# KiCad board EOutside.kicad_pcb (continued)
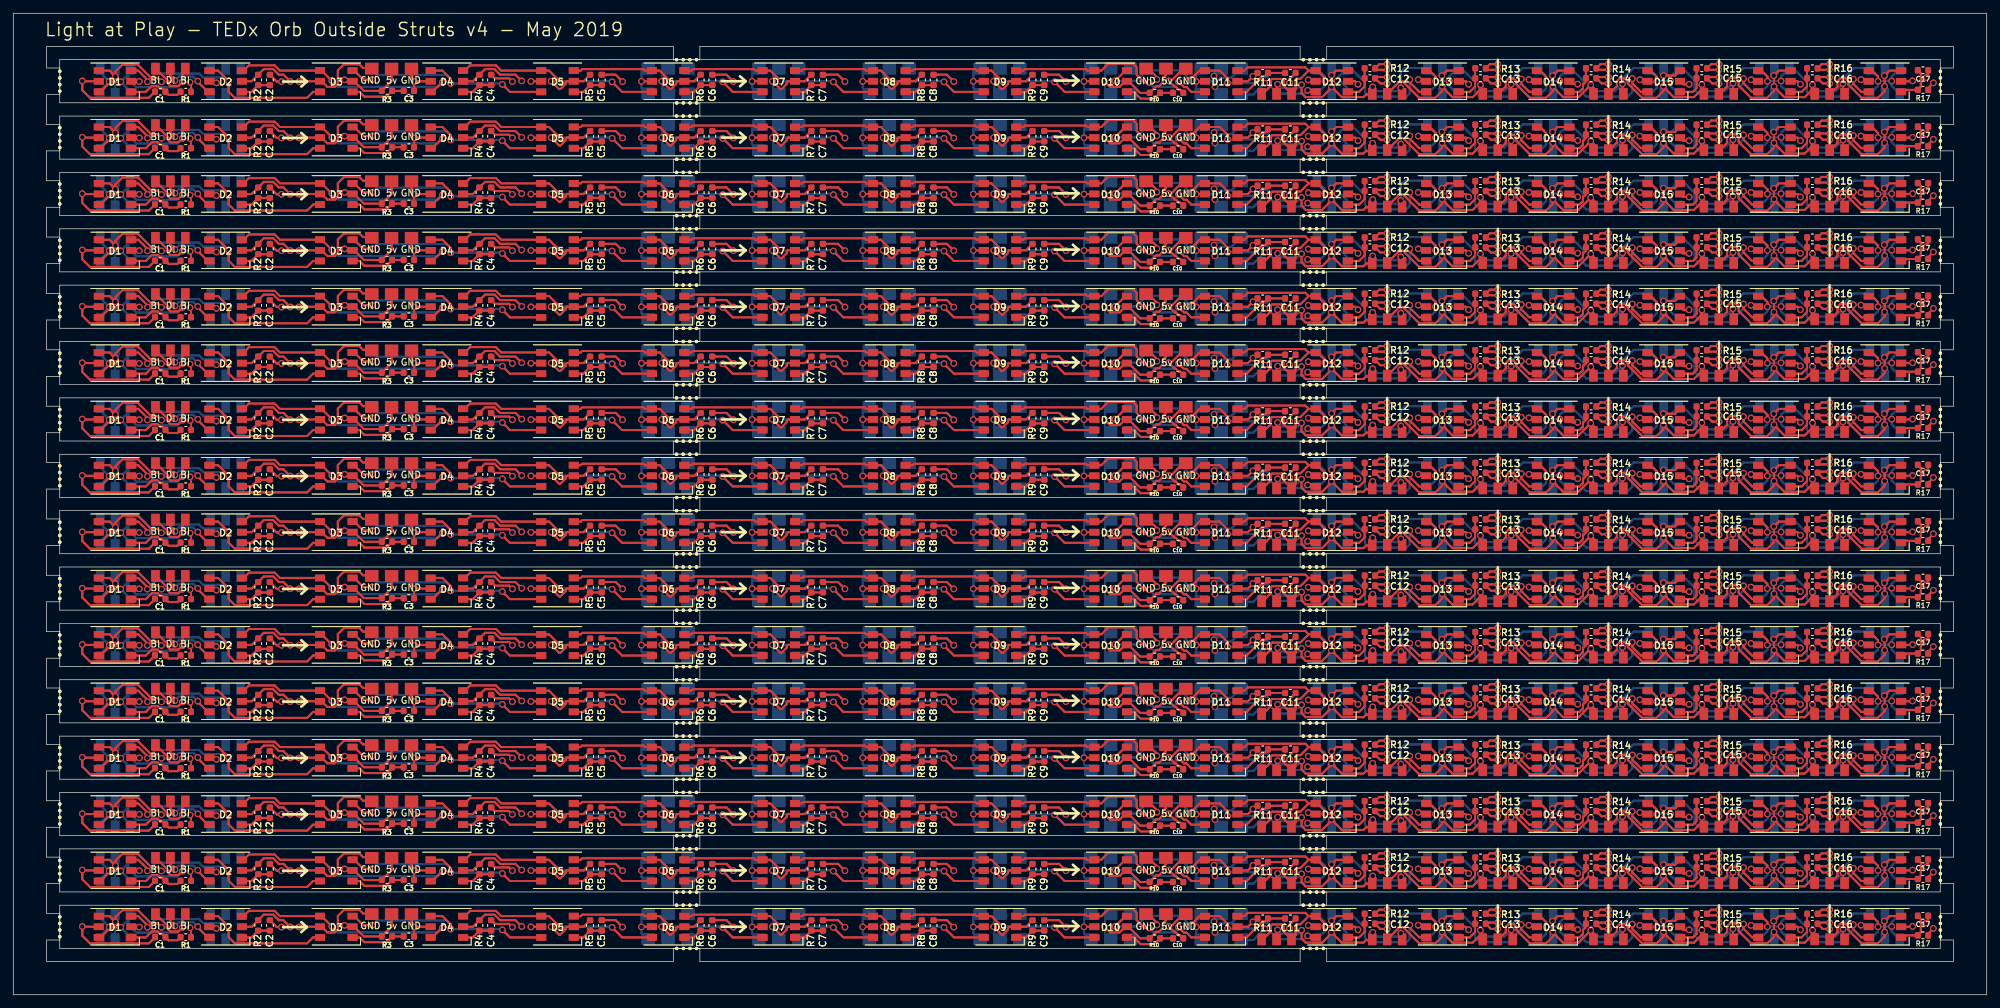
[diagram p0: board, top side]
## Routing (per net, layer and track width the routed paths; a pad name or vN(x,y) marks a point on that pad's centre or on a via; arc(x,y) is an arc through that point) (continued)
C1#20.2 20.42,50.25 ; 60.45,52.75 D4#18.5 60.45,52.75 ; 10.4,52.09 v1(10.4,52.8) ; 10.4,52.09 v1(10.4,52.8) ; v1(10.4,52.8) 10.45,52.75 ; v1(10.4,52.8) 10.45,52.75 ; 288.52,53.57 C17#18.2 288.52,53.57 ; 288.52,53.57 v1(288.25,53.3) 288.52,53.57 ; 10.45,52.75 D1#22.5 10.45,52.75 ; 211.83,52.75 D13#17.5 211.83,52.75 ; 211.83,52.75 211.69,52.9 ; 211.83,52.75 211.69,52.9 ; 211.69,52.9 v1(211.69,52.99) 211.69,52.9 ; 30.6,52.75 30.61,52.74 ; 30.6,52.75 D2#17.5 30.6,52.75 ; 30.6,52.75 30.61,52.74 ; 30.61,52.74 v1(30.61,52.5) 30.61,52.74 ; 170.92,54.75 172.3,53.37 ; 170.92,54.75 170.67,54.75 170.92,54.75 ; 170.92,54.75 172.3,53.37 ; 172.3,53.37 v1(172.3,53.03) 172.3,53.37 ; 192.3,53.1 C11#17.2 192.3,53.1 ; 192.3,53.1 v1(192.3,52.53) 192.3,53.1 ; 175.6,51.46 175.19,51.88 ; 175.6,51.46 175.83,51.46 ; 175.6,51.46 175.19,51.88 ; 175.6,51.46 175.83,51.46 ; 175.19,51.88 175.03,51.88 ; 175.19,51.88 175.03,51.88 ; 175.03,51.88 v1(174.1,52.8) ; 175.03,51.88 v1(174.1,52.8) ; 195.17,52.75 D12#18.5 195.17,52.75 ; 195.17,52.75 195.12,52.8 ; 195.17,52.75 195.12,52.8 ; 195.12,52.8 v1(195.12,52.95) 195.12,52.8 ; 47.32,51.9 46.47,52.75 ; 47.32,51.9 48.43,51.9 ; 47.32,51.9 46.47,52.75 ; 47.32,51.9 48.43,51.9 ; 46.47,52.75 D3#23.5 ; 46.47,52.75 D3#23.5 ; 72.54,53.19 C4#22.2 72.54,53.19 ; 72.54,53.19 74.71,53.19 ; 72.54,53.19 74.71,53.19 ; 74.71,53.19 v1(75.2,52.7) 74.71,53.19 ; v1(174.1,52.8) 174.43,52.8 ; v1(174.1,52.8) 174.43,52.8 ; 175.83,51.46 C10#18.2 175.83,51.46 ; 52.7,54.75 52.15,55.3 ; 52.7,54.75 54,54.75 52.7,54.75 ; 52.7,54.75 52.15,55.3 ; 52.15,55.3 49.82,55.3 ; 52.15,55.3 49.82,55.3 ; 48.9,52.37 48.43,51.9 ; 48.9,52.37 48.9,54.38 ; 48.9,52.37 48.43,51.9 ; 48.9,52.37 48.9,54.38 ; 48.9,54.38 49.82,55.3 ; 48.9,54.38 49.82,55.3 ; D3#23.5 43.09,52.75 ; D3#23.5 43.09,52.75 ; 144.67,52.75 D9#18.5 144.67,52.75 ; 144.67,52.75 v1(144.65,52.73) 144.67,52.75 ; 161.34,52.75 D10#18.5 161.34,52.75 ; 161.34,52.75 v1(161.32,52.73) 161.34,52.75 ; 111.34,52.75 v1(111.32,52.73) 111.34,52.75 ; 111.34,52.75 D7#22.5 111.34,52.75 ; 43.09,52.75 v1(43.05,52.71) 43.09,52.75 ; 128.01,52.75 D8#18.5 128.01,52.75 ; 128.01,52.75 v1(127.99,52.73) 128.01,52.75 ; 39.69,52.7 C2#23.2 39.69,52.7 ; 39.69,52.7 39.71,52.7 ; 39.69,52.7 39.71,52.7 ; 39.71,52.7 v1(40.42,52.7) 39.71,52.7 ; 94.67,52.75 D6#17.5 94.67,52.75 ; 94.67,52.75 v1(94.65,52.73) 94.67,52.75 ; 255.96,43.93 257,43.93 255.96,43.93 ; 91.3,44.7 v1(91.8,44.2) 91.3,44.7 ; 107.46,45.24 C6#17.2 107.46,45.24 ; 107.46,45.24 108,44.7 ; 107.46,45.24 108,44.7 ; 140.66,45.24 141.2,44.7 ; 140.66,45.24 C8#18.2 140.66,45.24 ; 140.66,45.24 141.2,44.7 ; 141.2,44.7 v1(141.7,44.2) 141.2,44.7 ; 124.26,45.24 124.8,44.7 ; 124.26,45.24 C7#17.2 124.26,45.24 ; 124.26,45.24 124.8,44.7 ; 124.8,44.7 v1(125.3,44.2) 124.8,44.7 ; 108,44.7 v1(108.5,44.2) 108,44.7 ; 157.56,45.24 158.1,44.7 ; 157.56,45.24 C9#18.2 157.56,45.24 ; 157.56,45.24 158.1,44.7 ; 158.1,44.7 v1(158.6,44.2) 158.1,44.7 ; C15#17.2 255.23,53.25 C15#17.2 ; C15#17.2 255.96,52.43 ; C15#17.2 255.36,53.38 ; C15#17.2 255.96,52.43 ; C15#17.2 255.36,53.38 ; 272.62,52.43 C16#20.2 ; 272.62,52.43 273.67,52.43 272.62,52.43 ; 272.62,52.43 C16#20.2 ; C16#20.2 272.02,53.38 ; C16#20.2 271.9,53.25 C16#20.2 ; C16#20.2 272.02,53.38 ; 245.99,52.98 D15#17.5 245.99,52.98 ; 245.99,52.98 245.78,52.98 ; 245.99,52.98 245.78,52.98 ; 238.69,53.38 240.33,53.38 238.69,53.38 ; 272.02,53.38 273.67,53.38 272.02,53.38 ; 262.53,52.97 v1(261.82,52.97) 262.53,52.97 ; 262.53,52.97 262.66,52.97 ; 262.53,52.97 262.66,52.97 ; 262.66,52.97 D16#20.5 262.66,52.97 ; 255.96,52.43 257,52.43 255.96,52.43 ; 255.36,53.38 257,53.38 255.36,53.38 ; 178.25,52.75 v1(178.22,52.72) 178.25,52.75 ; 178.25,52.75 D11#20.5 178.25,52.75 ; 176.38,54.75 176.67,54.75 176.38,54.75 ; 176.38,54.75 174.43,52.8 ; 176.38,54.75 174.43,52.8 ; 245.78,52.98 v1(245.07,52.98) 245.78,52.98 ; 94.67,18.75 v1(94.65,18.73) 94.67,18.75 ; 94.67,18.75 D6#25.5 94.67,18.75 ; 48.43,17.9 47.32,17.9 ; 48.43,17.9 48.9,18.37 ; 48.43,17.9 48.9,18.37 ; 48.43,17.9 47.32,17.9 ; 47.32,17.9 46.47,18.75 ; 47.32,17.9 46.47,18.75 ; v1(174.1,27.3) 174.43,27.3 ; v1(174.1,27.3) 175.03,26.38 ; v1(174.1,27.3) 174.43,27.3 ; v1(174.1,27.3) 175.03,26.38 ; 174.43,27.3 176.38,29.25 ; 174.43,27.3 176.38,29.25 ; 272.62,26.93 273.67,26.93 272.62,26.93 ; 272.62,26.93 C16#25.2 ; 272.62,26.93 C16#25.2 ; 176.38,29.25 176.67,29.25 176.38,29.25 ; 178.25,27.25 D11#27.5 178.25,27.25 ; 178.25,27.25 v1(178.22,27.22) 178.25,27.25 ; 262.66,27.47 262.53,27.47 ; 262.66,27.47 D16#25.5 262.66,27.47 ; 262.66,27.47 262.53,27.47 ; 262.53,27.47 v1(261.82,27.47) 262.53,27.47 ; 245.99,27.48 245.78,27.48 ; 245.99,27.48 D15#25.5 245.99,27.48 ; 245.99,27.48 245.78,27.48 ; 245.78,27.48 v1(245.07,27.48) 245.78,27.48 ; 239.29,26.93 240.33,26.93 239.29,26.93 ; 239.29,26.93 C14#25.2 ; 239.29,26.93 C14#25.2 ; 279.32,27.48 279.09,27.48 ; 279.32,27.48 279.55,27.25 279.32,27.48 ; 279.32,27.48 279.09,27.48 ; 279.09,27.48 v1(278.38,27.48) 279.09,27.48 ; 255.36,27.88 257,27.88 255.36,27.88 ; 255.36,27.88 C15#25.2 ; 255.36,27.88 C15#25.2 ; 238.69,27.88 240.33,27.88 238.69,27.88 ; 238.69,27.88 C14#25.2 ; 238.69,27.88 C14#25.2 ; 272.02,27.88 C16#25.2 ; 272.02,27.88 273.67,27.88 272.02,27.88 ; 272.02,27.88 C16#25.2 ; C16#25.2 271.9,27.75 C16#25.2 ; C15#25.2 255.23,27.75 C15#25.2 ; C15#25.2 255.96,26.93 ; C15#25.2 255.96,26.93 ; C14#25.2 238.57,27.75 C14#25.2 ; 255.96,26.93 257,26.93 255.96,26.93 ; 272.62,9.93 273.67,9.93 272.62,9.93 ; 272.62,9.93 C16#26.2 ; 272.62,9.93 C16#26.2 ; 174.43,10.3 176.38,12.25 ; 174.43,10.3 v1(174.1,10.3) ; 174.43,10.3 v1(174.1,10.3) ; 174.43,10.3 176.38,12.25 ; 176.38,12.25 176.67,12.25 176.38,12.25 ; 178.25,10.25 D11#29.5 178.25,10.25 ; 178.25,10.25 v1(178.22,10.22) 178.25,10.25 ; 262.66,10.47 262.53,10.47 ; 262.66,10.47 D16#26.5 262.66,10.47 ; 262.66,10.47 262.53,10.47 ; 262.53,10.47 v1(261.82,10.47) 262.53,10.47 ; 245.99,10.48 245.78,10.48 ; 245.99,10.48 D15#26.5 245.99,10.48 ; 245.99,10.48 245.78,10.48 ; 245.78,10.48 v1(245.07,10.48) 245.78,10.48 ; 239.29,9.93 240.33,9.93 239.29,9.93 ; 239.29,9.93 C14#26.2 ; 239.29,9.93 C14#26.2 ; 279.32,10.48 279.09,10.48 ; 279.32,10.48 279.55,10.25 279.32,10.48 ; 279.32,10.48 279.09,10.48 ; 279.09,10.48 v1(278.38,10.48) 279.09,10.48 ; 255.36,10.88 257,10.88 255.36,10.88 ; 255.36,10.88 C15#27.2 ; 255.36,10.88 C15#27.2 ; 238.69,10.88 240.33,10.88 238.69,10.88 ; 238.69,10.88 C14#26.2 ; 238.69,10.88 C14#26.2 ; 272.02,10.88 C16#26.2 ; 272.02,10.88 273.67,10.88 272.02,10.88 ; 272.02,10.88 C16#26.2 ; C16#26.2 271.9,10.75 C16#26.2 ; C15#27.2 255.23,10.75 C15#27.2 ; C15#27.2 255.96,9.93 ; C15#27.2 255.96,9.93 ; C14#26.2 238.57,10.75 C14#26.2 ; 255.96,9.93 257,9.93 255.96,9.93 ; 239.29,18.43 C14#28.2 ; 239.29,18.43 240.33,18.43 239.29,18.43 ; 239.29,18.43 C14#28.2 ; C14#28.2 238.57,19.25 C14#28.2 ; C14#28.2 238.69,19.38 ; C14#28.2 238.69,19.38 ; 222.62,18.43 223.67,18.43 222.62,18.43 ; 222.62,18.43 221.85,19.2 ; 222.62,18.43 221.85,19.2 ; 222.02,19.38 223.67,19.38 222.02,19.38 ; 222.02,19.38 221.85,19.2 ; 222.02,19.38 221.85,19.2 ; 221.85,19.2 221.9,19.25 221.85,19.2 ; 205.96,18.43 207,18.43 205.96,18.43 ; 205.96,18.43 C12#28.2 ; 205.96,18.43 C12#28.2 ; 205.36,19.38 207,19.38 205.36,19.38 ; 205.36,19.38 C12#28.2 ; 205.36,19.38 C12#28.2 ; C12#28.2 205.23,19.25 C12#28.2 ; 228.5,18.75 D14#26.5 228.5,18.75 ; 228.5,18.75 228.35,18.9 ; 228.5,18.75 228.35,18.9 ; 228.35,18.9 v1(228.35,18.99) 228.35,18.9 ; 60.39,18.69 v1(60.4,18.7) ; 60.39,18.69 C3#27.2 60.39,18.69 ; 60.39,18.69 v1(60.4,18.7) ; v1(60.4,18.7) 60,19.1 ; v1(60.4,18.7) 60.45,18.75 ; v1(60.4,18.7) 60,19.1 ; v1(60.4,18.7) 60.45,18.75 ; 11.55,16.25 10.4,17.4 ; 11.55,16.25 20.42,16.25 ; 11.55,16.25 10.4,17.4 ; 11.55,16.25 20.42,16.25 ; 10.4,17.4 10.4,18.09 ; 10.4,17.4 10.4,18.09 ; 60,19.1 60,20.75 60,19.1 ; 20.42,16.25 C1#28.2 20.42,16.25 ; 60.45,18.75 D4#30.5 60.45,18.75 ; 10.4,18.09 v1(10.4,18.8) ; 10.4,18.09 v1(10.4,18.8) ; v1(10.4,18.8) 10.45,18.75 ; v1(10.4,18.8) 10.45,18.75 ; 288.52,19.57 C17#25.2 288.52,19.57 ; 288.52,19.57 v1(288.25,19.3) 288.52,19.57 ; 10.45,18.75 D1#28.5 10.45,18.75 ; 211.83,18.75 D13#26.5 211.83,18.75 ; 211.83,18.75 211.69,18.9 ; 211.83,18.75 211.69,18.9 ; 211.69,18.9 v1(211.69,18.99) 211.69,18.9 ; 30.6,18.75 30.61,18.74 ; 30.6,18.75 D2#28.5 30.6,18.75 ; 30.6,18.75 30.61,18.74 ; 30.61,18.74 v1(30.61,18.5) 30.61,18.74 ; 170.92,20.75 172.3,19.37 ; 170.92,20.75 170.67,20.75 170.92,20.75 ; 170.92,20.75 172.3,19.37 ; 172.3,19.37 v1(172.3,19.03) 172.3,19.37 ; 192.3,19.1 C11#28.2 192.3,19.1 ; 192.3,19.1 v1(192.3,18.53) 192.3,19.1 ; 175.6,17.46 175.19,17.88 ; 175.6,17.46 175.83,17.46 ; 175.6,17.46 175.19,17.88 ; 175.6,17.46 175.83,17.46 ; 175.19,17.88 175.03,17.88 ; 175.19,17.88 175.03,17.88 ; 175.03,17.88 v1(174.1,18.8) ; 175.03,17.88 v1(174.1,18.8) ; 195.17,18.75 D12#25.5 195.17,18.75 ; 195.17,18.75 195.12,18.8 ; 195.17,18.75 195.12,18.8 ; 195.12,18.8 v1(195.12,18.95) 195.12,18.8 ; 46.47,18.75 D3#26.5 ; 46.47,18.75 D3#26.5 ; 72.54,19.19 C4#28.2 72.54,19.19 ; 72.54,19.19 74.71,19.19 ; 72.54,19.19 74.71,19.19 ; 74.71,19.19 v1(75.2,18.7) 74.71,19.19 ; v1(174.1,18.8) 174.43,18.8 ; v1(174.1,18.8) 174.43,18.8 ; 175.83,17.46 C10#28.2 175.83,17.46 ; 52.7,20.75 52.15,21.3 ; 52.7,20.75 54,20.75 52.7,20.75 ; 52.7,20.75 52.15,21.3 ; 52.15,21.3 49.82,21.3 ; 52.15,21.3 49.82,21.3 ; 48.9,18.37 48.9,20.38 ; 48.9,18.37 48.9,20.38 ; 48.9,20.38 49.82,21.3 ; 48.9,20.38 49.82,21.3 ; D3#26.5 43.09,18.75 ; D3#26.5 43.09,18.75 ; 144.67,18.75 D9#29.5 144.67,18.75 ; 144.67,18.75 v1(144.65,18.73) 144.67,18.75 ; 161.34,18.75 D10#30.5 161.34,18.75 ; 161.34,18.75 v1(161.32,18.73) 161.34,18.75 ; 111.34,18.75 v1(111.32,18.73) 111.34,18.75 ; 111.34,18.75 D7#29.5 111.34,18.75 ; 43.09,18.75 v1(43.05,18.71) 43.09,18.75 ; 128.01,18.75 D8#26.5 128.01,18.75 ; 128.01,18.75 v1(127.99,18.73) 128.01,18.75 ; 39.69,18.7 C2#27.2 39.69,18.7 ; 39.69,18.7 39.71,18.7 ; 39.69,18.7 39.71,18.7 ; 39.71,18.7 v1(40.42,18.7) 39.71,18.7 ; 78.01,18.75 v1(77.99,18.73) 78.01,18.75 ; 78.01,18.75 D5#25.5 78.01,18.75 ; 90.76,19.74 C5#29.2 90.76,19.74 ; 90.76,19.74 91.3,19.2 ; 90.76,19.74 91.3,19.2 ; 91.3,19.2 v1(91.8,18.7) 91.3,19.2 ; 107.46,19.74 C6#30.2 107.46,19.74 ; 107.46,19.74 108,19.2 ; 107.46,19.74 108,19.2 ; 140.66,19.74 141.2,19.2 ; 140.66,19.74 C8#28.2 140.66,19.74 ; 140.66,19.74 141.2,19.2 ; 141.2,19.2 v1(141.7,18.7) 141.2,19.2 ; 124.26,19.74 124.8,19.2 ; 124.26,19.74 C7#30.2 124.26,19.74 ; 124.26,19.74 124.8,19.2 ; 124.8,19.2 v1(125.3,18.7) 124.8,19.2 ; 108,19.2 v1(108.5,18.7) 108,19.2 ; 157.56,19.74 158.1,19.2 ; 157.56,19.74 C9#28.2 157.56,19.74 ; 157.56,19.74 158.1,19.2 ; 158.1,19.2 v1(158.6,18.7) 158.1,19.2 ; 279.32,18.98 279.55,18.75 279.32,18.98 ; 279.32,18.98 279.09,18.98 ; 279.32,18.98 279.09,18.98 ; 279.09,18.98 v1(278.38,18.98) 279.09,18.98 ; 228.35,35.9 v1(228.35,35.99) 228.35,35.9 ; 228.35,35.9 228.5,35.75 ; 228.35,35.9 228.5,35.75 ; 107.46,36.74 C6#28.2 107.46,36.74 ; 107.46,36.74 108,36.2 ; 107.46,36.74 108,36.2 ; 91.3,36.2 v1(91.8,35.7) 91.3,36.2 ; 91.3,36.2 90.76,36.74 ; 91.3,36.2 90.76,36.74 ; 90.76,36.74 C5#26.2 90.76,36.74 ; 140.66,36.74 141.2,36.2 ; 140.66,36.74 C8#29.2 140.66,36.74 ; 140.66,36.74 141.2,36.2 ; 141.2,36.2 v1(141.7,35.7) 141.2,36.2 ; 39.69,35.7 39.71,35.7 ; 39.69,35.7 C2#25.2 39.69,35.7 ; 39.69,35.7 39.71,35.7 ; 39.71,35.7 v1(40.42,35.7) 39.71,35.7 ; 124.26,36.74 C7#28.2 124.26,36.74 ; 124.26,36.74 124.8,36.2 ; 124.26,36.74 124.8,36.2 ; 108,36.2 v1(108.5,35.7) 108,36.2 ; 124.8,36.2 v1(125.3,35.7) 124.8,36.2 ; 157.56,36.74 158.1,36.2 ; 157.56,36.74 C9#29.2 157.56,36.74 ; 157.56,36.74 158.1,36.2 ; 158.1,36.2 v1(158.6,35.7) 158.1,36.2 ; 78.01,35.75 D5#29.5 78.01,35.75 ; 78.01,35.75 v1(77.99,35.73) 78.01,35.75 ; 111.34,35.75 D7#25.5 111.34,35.75 ; 111.34,35.75 v1(111.32,35.73) 111.34,35.75 ; 49.82,38.3 48.9,37.38 ; 49.82,38.3 52.15,38.3 ; 49.82,38.3 48.9,37.38 ; 49.82,38.3 52.15,38.3 ; 48.9,37.38 48.9,35.37 ; 48.9,37.38 48.9,35.37 ; 128.01,35.75 D8#27.5 128.01,35.75 ; 128.01,35.75 v1(127.99,35.73) 128.01,35.75 ; 43.09,35.75 v1(43.05,35.71) 43.09,35.75 ; 43.09,35.75 D3#27.5 ; 43.09,35.75 D3#27.5 ; 161.34,35.75 D10#25.5 161.34,35.75 ; 161.34,35.75 v1(161.32,35.73) 161.34,35.75 ; 144.67,35.75 D9#25.5 144.67,35.75 ; 144.67,35.75 v1(144.65,35.73) 144.67,35.75 ; 46.47,35.75 D3#27.5 ; 46.47,35.75 47.32,34.9 ; 46.47,35.75 47.32,34.9 ; 46.47,35.75 D3#27.5 ; 48.9,35.37 48.43,34.9 ; 48.9,35.37 48.43,34.9 ; 72.54,36.19 74.71,36.19 ; 72.54,36.19 C4#25.2 72.54,36.19 ; 72.54,36.19 74.71,36.19 ; 74.71,36.19 v1(75.2,35.7) 74.71,36.19 ; 52.7,37.75 54,37.75 52.7,37.75 ; 52.7,37.75 52.15,38.3 ; 52.7,37.75 52.15,38.3 ; 48.43,34.9 47.32,34.9 ; 48.43,34.9 47.32,34.9 ; 175.83,34.46 C10#29.2 175.83,34.46 ; 175.83,34.46 175.6,34.46 ; 175.83,34.46 175.6,34.46 ; 175.6,34.46 175.19,34.88 ; 175.6,34.46 175.19,34.88 ; 175.03,34.88 v1(174.1,35.8) ; 175.03,34.88 175.19,34.88 ; 175.03,34.88 175.19,34.88 ; 175.03,34.88 v1(174.1,35.8) ; v1(174.1,35.8) 174.43,35.8 ; v1(174.1,35.8) 174.43,35.8 ; 170.92,37.75 170.67,37.75 170.92,37.75 ; 170.92,37.75 172.3,36.37 ; 170.92,37.75 172.3,36.37 ; 192.3,36.1 v1(192.3,35.53) 192.3,36.1 ; 192.3,36.1 C11#29.2 192.3,36.1 ; 195.12,35.8 v1(195.12,35.95) 195.12,35.8 ; 195.12,35.8 195.17,35.75 ; 195.12,35.8 195.17,35.75 ; 172.3,36.37 v1(172.3,36.03) 172.3,36.37 ; 195.17,35.75 D12#27.5 195.17,35.75 ; 239.29,35.43 C14#29.2 ; 239.29,35.43 240.33,35.43 239.29,35.43 ; 239.29,35.43 C14#29.2 ; C14#29.2 238.57,36.25 C14#29.2 ; C14#29.2 238.69,36.38 ; C14#29.2 238.69,36.38 ; 222.62,35.43 223.67,35.43 222.62,35.43 ; 222.62,35.43 221.85,36.2 ; 222.62,35.43 221.85,36.2 ; 222.02,36.38 223.67,36.38 222.02,36.38 ; 222.02,36.38 221.85,36.2 ; 222.02,36.38 221.85,36.2 ; 221.85,36.2 221.9,36.25 221.85,36.2 ; 30.61,35.74 v1(30.61,35.5) 30.61,35.74 ; 30.61,35.74 30.6,35.75 ; 30.61,35.74 30.6,35.75 ; 10.4,34.4 10.4,35.09 ; 10.4,34.4 11.55,33.25 ; 10.4,34.4 11.55,33.25 ; 10.4,34.4 10.4,35.09 ; 10.4,35.09 v1(10.4,35.8) ; 10.4,35.09 v1(10.4,35.8) ; 94.67,35.75 v1(94.65,35.73) 94.67,35.75 ; 94.67,35.75 D6#26.5 94.67,35.75 ; 288.52,36.57 v1(288.25,36.3) 288.52,36.57 ; 288.52,36.57 C17#28.2 288.52,36.57 ; 30.6,35.75 D2#30.5 30.6,35.75 ; 211.83,35.75 211.69,35.9 ; 211.83,35.75 D13#30.5 211.83,35.75 ; 211.83,35.75 211.69,35.9 ; 211.69,35.9 v1(211.69,35.99) 211.69,35.9 ; 10.45,35.75 D1#25.5 10.45,35.75 ; 10.45,35.75 v1(10.4,35.8) ; 10.45,35.75 v1(10.4,35.8) ; 60.45,35.75 D4#26.5 60.45,35.75 ; 60.45,35.75 v1(60.4,35.7) ; 60.45,35.75 v1(60.4,35.7) ; 60.39,35.69 C3#25.2 60.39,35.69 ; 60.39,35.69 v1(60.4,35.7) ; 60.39,35.69 v1(60.4,35.7) ; v1(60.4,35.7) 60,36.1 ; v1(60.4,35.7) 60,36.1 ; 20.42,33.25 11.55,33.25 ; 20.42,33.25 C1#26.2 20.42,33.25 ; 20.42,33.25 11.55,33.25 ; 60,36.1 60,37.75 60,36.1 ; 205.36,36.38 C12#29.2 ; 205.36,36.38 207,36.38 205.36,36.38 ; 205.36,36.38 C12#29.2 ; C12#29.2 205.96,35.43 ; C12#29.2 205.23,36.25 C12#29.2 ; C12#29.2 205.96,35.43 ; 279.32,35.98 279.55,35.75 279.32,35.98 ; 279.32,35.98 279.09,35.98 ; 279.32,35.98 279.09,35.98 ; 205.96,35.43 207,35.43 205.96,35.43 ; 228.5,35.75 D14#30.5 228.5,35.75 ; C16#29.2 271.9,36.25 C16#29.2 ; C16#29.2 272.02,36.38 ; C16#29.2 272.62,35.43 ; C16#29.2 272.62,35.43 ; C16#29.2 272.02,36.38 ; 255.36,36.38 257,36.38 255.36,36.38 ; 255.36,36.38 C15#28.2 ; 255.36,36.38 C15#28.2 ; 272.02,36.38 273.67,36.38 272.02,36.38 ; 174.43,35.8 176.38,37.75 ; 174.43,35.8 176.38,37.75 ; 272.62,35.43 273.67,35.43 272.62,35.43 ; 176.38,37.75 176.67,37.75 176.38,37.75 ; 178.25,35.75 D11#25.5 178.25,35.75 ; 178.25,35.75 v1(178.22,35.72) 178.25,35.75 ; 262.66,35.97 D16#27.5 262.66,35.97 ; 262.66,35.97 262.53,35.97 ; 262.66,35.97 262.53,35.97 ; 245.99,35.98 245.78,35.98 ; 245.99,35.98 D15#29.5 245.99,35.98 ; 245.99,35.98 245.78,35.98 ; 245.78,35.98 v1(245.07,35.98) 245.78,35.98 ; 255.96,35.43 257,35.43 255.96,35.43 ; 255.96,35.43 C15#28.2 ; 255.96,35.43 C15#28.2 ; C15#28.2 255.23,36.25 C15#28.2 ; 262.53,35.97 v1(261.82,35.97) 262.53,35.97 ; 279.09,35.98 v1(278.38,35.98) 279.09,35.98 ; 238.69,36.38 240.33,36.38 238.69,36.38 ; 195.12,10.3 v1(195.12,10.45) 195.12,10.3 ; 195.12,10.3 195.17,10.25 ; 195.12,10.3 195.17,10.25 ; 172.3,10.87 v1(172.3,10.53) 172.3,10.87 ; 172.3,10.87 170.92,12.25 ; 172.3,10.87 170.92,12.25 ; 195.17,10.25 D12#31.5 195.17,10.25 ; 175.19,9.38 175.03,9.38 ; 175.19,9.38 175.6,8.96 ; 175.19,9.38 175.6,8.96 ; 175.19,9.38 175.03,9.38 ; 175.03,9.38 v1(174.1,10.3) ; 175.03,9.38 v1(174.1,10.3) ; 175.6,8.96 175.83,8.96 ; 175.6,8.96 175.83,8.96 ; 192.3,10.6 C11#25.2 192.3,10.6 ; 192.3,10.6 v1(192.3,10.03) 192.3,10.6 ; 170.92,12.25 170.67,12.25 170.92,12.25 ; 30.61,10.24 v1(30.61,10) 30.61,10.24 ; 30.61,10.24 30.6,10.25 ; 30.61,10.24 30.6,10.25 ; 211.83,10.25 211.69,10.4 ; 211.83,10.25 D13#28.5 211.83,10.25 ; 211.83,10.25 211.69,10.4 ; 211.69,10.4 v1(211.69,10.49) 211.69,10.4 ; 30.6,10.25 D2#26.5 30.6,10.25 ; 288.52,11.07 v1(288.25,10.8) 288.52,11.07 ; 288.52,11.07 C17#29.2 288.52,11.07 ; 10.4,8.9 10.4,9.59 ; 10.4,8.9 11.55,7.75 ; 10.4,8.9 11.55,7.75 ; 10.4,8.9 10.4,9.59 ; 10.4,9.59 v1(10.4,10.3) ; 10.4,9.59 v1(10.4,10.3) ; 10.45,10.25 D1#26.5 10.45,10.25 ; 10.45,10.25 v1(10.4,10.3) ; 10.45,10.25 v1(10.4,10.3) ; 60.45,10.25 D4#29.5 60.45,10.25 ; 60.45,10.25 v1(60.4,10.2) ; 60.45,10.25 v1(60.4,10.2) ; 60.39,10.19 C3#26.2 60.39,10.19 ; 60.39,10.19 v1(60.4,10.2) ; 60.39,10.19 v1(60.4,10.2) ; v1(60.4,10.2) 60,10.6 ; v1(60.4,10.2) 60,10.6 ; 20.42,7.75 11.55,7.75 ; 20.42,7.75 C1#25.2 20.42,7.75 ; 20.42,7.75 11.55,7.75 ; 60,10.6 60,12.25 60,10.6 ; 205.36,10.88 C12#25.2 ; 205.36,10.88 207,10.88 205.36,10.88 ; 205.36,10.88 C12#25.2 ; C12#25.2 205.23,10.75 C12#25.2 ; C12#25.2 205.96,9.93 ; C12#25.2 205.96,9.93 ; 228.35,10.4 v1(228.35,10.49) 228.35,10.4 ; 228.35,10.4 228.5,10.25 ; 228.35,10.4 228.5,10.25 ; 228.5,10.25 D14#29.5 228.5,10.25 ; 205.96,9.93 207,9.93 205.96,9.93 ; 222.62,9.93 221.85,10.7 ; 222.62,9.93 223.67,9.93 222.62,9.93 ; 222.62,9.93 221.85,10.7 ; 221.85,10.7 222.02,10.88 ; 221.85,10.7 221.9,10.75 221.85,10.7 ; 221.85,10.7 222.02,10.88 ; 222.02,10.88 223.67,10.88 222.02,10.88 ; 90.76,11.24 C5#25.2 90.76,11.24 ; 90.76,11.24 91.3,10.7 ; 90.76,11.24 91.3,10.7 ; 78.01,10.25 v1(77.99,10.23) 78.01,10.25 ; 78.01,10.25 D5#27.5 78.01,10.25 ; 94.67,10.25 v1(94.65,10.23) 94.67,10.25 ; 94.67,10.25 D6#28.5 94.67,10.25 ; C15#26.2 255.23,19.25 C15#26.2 ; C15#26.2 255.96,18.43 ; C15#26.2 255.36,19.38 ; C15#26.2 255.96,18.43 ; C15#26.2 255.36,19.38 ; 272.62,18.43 C16#27.2 ; 272.62,18.43 273.67,18.43 272.62,18.43 ; 272.62,18.43 C16#27.2 ; C16#27.2 272.02,19.38 ; C16#27.2 271.9,19.25 C16#27.2 ; C16#27.2 272.02,19.38 ; 245.99,18.98 D15#28.5 245.99,18.98 ; 245.99,18.98 245.78,18.98 ; 245.99,18.98 245.78,18.98 ; 238.69,19.38 240.33,19.38 238.69,19.38 ; 272.02,19.38 273.67,19.38 272.02,19.38 ; 262.53,18.97 v1(261.82,18.97) 262.53,18.97 ; 262.53,18.97 262.66,18.97 ; 262.53,18.97 262.66,18.97 ; 262.66,18.97 D16#28.5 262.66,18.97 ; 255.96,18.43 257,18.43 255.96,18.43 ; 255.36,19.38 257,19.38 255.36,19.38 ; 178.25,18.75 v1(178.22,18.72) 178.25,18.75 ; 178.25,18.75 D11#28.5 178.25,18.75 ; 176.38,20.75 176.67,20.75 176.38,20.75 ; 176.38,20.75 174.43,18.8 ; 176.38,20.75 174.43,18.8 ; 245.78,18.98 v1(245.07,18.98) 245.78,18.98 ; 91.3,10.7 v1(91.8,10.2) 91.3,10.7 ; 107.46,11.24 C6#25.2 107.46,11.24 ; 107.46,11.24 108,10.7 ; 107.46,11.24 108,10.7 ; 140.66,11.24 141.2,10.7 ; 140.66,11.24 C8#25.2 140.66,11.24 ; 140.66,11.24 141.2,10.7 ; 141.2,10.7 v1(141.7,10.2) 141.2,10.7 ; 124.26,11.24 124.8,10.7 ; 124.26,11.24 C7#25.2 124.26,11.24 ; 124.26,11.24 124.8,10.7 ; 124.8,10.7 v1(125.3,10.2) 124.8,10.7 ; 108,10.7 v1(108.5,10.2) 108,10.7 ; 157.56,11.24 158.1,10.7 ; 157.56,11.24 C9#25.2 157.56,11.24 ; 157.56,11.24 158.1,10.7 ; 158.1,10.7 v1(158.6,10.2) 158.1,10.7 ; 47.32,9.4 46.47,10.25 ; 47.32,9.4 48.43,9.4 ; 47.32,9.4 48.43,9.4 ; 47.32,9.4 46.47,10.25 ; 46.47,10.25 D3#28.5 ; 46.47,10.25 D3#28.5 ; 72.54,10.69 C4#27.2 72.54,10.69 ; 72.54,10.69 74.71,10.69 ; 72.54,10.69 74.71,10.69 ; 74.71,10.69 v1(75.2,10.2) 74.71,10.69 ; 175.83,8.96 C10#25.2 175.83,8.96 ; 52.7,12.25 52.15,12.8 ; 52.7,12.25 54,12.25 52.7,12.25 ; 52.7,12.25 52.15,12.8 ; 52.15,12.8 49.82,12.8 ; 52.15,12.8 49.82,12.8 ; 48.9,9.87 48.43,9.4 ; 48.9,9.87 48.9,11.88 ; 48.9,9.87 48.43,9.4 ; 48.9,9.87 48.9,11.88 ; 48.9,11.88 49.82,12.8 ; 48.9,11.88 49.82,12.8 ; D3#28.5 43.09,10.25 ; D3#28.5 43.09,10.25 ; 144.67,10.25 D9#26.5 144.67,10.25 ; 144.67,10.25 v1(144.65,10.23) 144.67,10.25 ; 161.34,10.25 D10#26.5 161.34,10.25 ; 161.34,10.25 v1(161.32,10.23) 161.34,10.25 ; 111.34,10.25 v1(111.32,10.23) 111.34,10.25 ; 111.34,10.25 D7#27.5 111.34,10.25 ; 43.09,10.25 v1(43.05,10.21) 43.09,10.25 ; 128.01,10.25 D8#28.5 128.01,10.25 ; 128.01,10.25 v1(127.99,10.23) 128.01,10.25 ; 39.69,10.2 C2#26.2 39.69,10.2 ; 39.69,10.2 39.71,10.2 ; 39.69,10.2 39.71,10.2 ; 39.71,10.2 v1(40.42,10.2) 39.71,10.2 ; 222.62,26.93 223.67,26.93 222.62,26.93 ; 222.62,26.93 221.85,27.7 ; 222.62,26.93 221.85,27.7 ; 222.02,27.88 223.67,27.88 222.02,27.88 ; 222.02,27.88 221.85,27.7 ; 222.02,27.88 221.85,27.7 ; 221.85,27.7 221.9,27.75 221.85,27.7 ; 205.96,26.93 207,26.93 205.96,26.93 ; 205.96,26.93 C12#26.2 ; 205.96,26.93 C12#26.2 ; 205.36,27.88 207,27.88 205.36,27.88 ; 205.36,27.88 C12#26.2 ; 205.36,27.88 C12#26.2 ; C12#26.2 205.23,27.75 C12#26.2 ; 228.5,27.25 D14#25.5 228.5,27.25 ; 228.5,27.25 228.35,27.4 ; 228.5,27.25 228.35,27.4 ; 228.35,27.4 v1(228.35,27.49) 228.35,27.4 ; 192.3,27.6 v1(192.3,27.03) 192.3,27.6 ; 192.3,27.6 C11#26.2 192.3,27.6 ; 170.92,29.25 170.67,29.25 170.92,29.25 ; 170.92,29.25 172.3,27.87 ; 170.92,29.25 172.3,27.87 ; 47.32,26.4 46.47,27.25 ; 47.32,26.4 48.43,26.4 ; 47.32,26.4 48.43,26.4 ; 47.32,26.4 46.47,27.25 ; 46.47,27.25 D3#25.5 ; 46.47,27.25 D3#25.5 ; 72.54,27.69 C4#26.2 72.54,27.69 ; 72.54,27.69 74.71,27.69 ; 72.54,27.69 74.71,27.69 ; 74.71,27.69 v1(75.2,27.2) 74.71,27.69 ; 175.03,26.38 175.19,26.38 ; 175.03,26.38 175.19,26.38 ; 175.83,25.96 175.6,25.96 ; 175.83,25.96 C10#27.2 175.83,25.96 ; 175.83,25.96 175.6,25.96 ; 175.6,25.96 175.19,26.38 ; 175.6,25.96 175.19,26.38 ; 52.7,29.25 52.15,29.8 ; 52.7,29.25 54,29.25 52.7,29.25 ; 52.7,29.25 52.15,29.8 ; 52.15,29.8 49.82,29.8 ; 52.15,29.8 49.82,29.8 ; 48.9,26.87 48.43,26.4 ; 48.9,26.87 48.9,28.88 ; 48.9,26.87 48.43,26.4 ; 48.9,26.87 48.9,28.88 ; 48.9,28.88 49.82,29.8 ; 48.9,28.88 49.82,29.8 ; D3#25.5 43.09,27.25 ; D3#25.5 43.09,27.25 ; 144.67,27.25 D9#28.5 144.67,27.25 ; 144.67,27.25 v1(144.65,27.23) 144.67,27.25 ; 161.34,27.25 D10#29.5 161.34,27.25 ; 161.34,27.25 v1(161.32,27.23) 161.34,27.25 ; 111.34,27.25 v1(111.32,27.23) 111.34,27.25 ; 111.34,27.25 D7#28.5 111.34,27.25 ; 43.09,27.25 v1(43.05,27.21) 43.09,27.25 ; 128.01,27.25 D8#25.5 128.01,27.25 ; 128.01,27.25 v1(127.99,27.23) 128.01,27.25 ; 39.69,27.2 C2#29.2 39.69,27.2 ; 39.69,27.2 39.71,27.2 ; 39.69,27.2 39.71,27.2 ; 39.71,27.2 v1(40.42,27.2) 39.71,27.2 ; 94.67,27.25 D6#27.5 94.67,27.25 ; 94.67,27.25 v1(94.65,27.23) 94.67,27.25 ; 78.01,27.25 v1(77.99,27.23) 78.01,27.25 ; 78.01,27.25 D5#26.5 78.01,27.25 ; 90.76,28.24 C5#27.2 90.76,28.24 ; 90.76,28.24 91.3,27.7 ; 90.76,28.24 91.3,27.7 ; 91.3,27.7 v1(91.8,27.2) 91.3,27.7 ; 107.46,28.24 C6#26.2 107.46,28.24 ; 107.46,28.24 108,27.7 ; 107.46,28.24 108,27.7 ; 140.66,28.24 141.2,27.7 ; 140.66,28.24 C8#26.2 140.66,28.24 ; 140.66,28.24 141.2,27.7 ; 141.2,27.7 v1(141.7,27.2) 141.2,27.7 ; 124.26,28.24 124.8,27.7 ; 124.26,28.24 C7#26.2 124.26,28.24 ; 124.26,28.24 124.8,27.7 ; 124.8,27.7 v1(125.3,27.2) 124.8,27.7 ; 108,27.7 v1(108.5,27.2) 108,27.7 ; 157.56,28.24 158.1,27.7 ; 157.56,28.24 C9#26.2 157.56,28.24 ; 157.56,28.24 158.1,27.7 ; 158.1,27.7 v1(158.6,27.2) 158.1,27.7 ; 60.39,27.19 v1(60.4,27.2) ; 60.39,27.19 C3#28.2 60.39,27.19 ; 60.39,27.19 v1(60.4,27.2) ; v1(60.4,27.2) 60,27.6 ; v1(60.4,27.2) 60.45,27.25 ; v1(60.4,27.2) 60,27.6 ; v1(60.4,27.2) 60.45,27.25 ; 11.55,24.75 10.4,25.9 ; 11.55,24.75 20.42,24.75 ; 11.55,24.75 10.4,25.9 ; 11.55,24.75 20.42,24.75 ; 10.4,25.9 10.4,26.59 ; 10.4,25.9 10.4,26.59 ; 60,27.6 60,29.25 60,27.6 ; 20.42,24.75 C1#29.2 20.42,24.75 ; 60.45,27.25 D4#25.5 60.45,27.25 ; 10.4,26.59 v1(10.4,27.3) ; 10.4,26.59 v1(10.4,27.3) ; v1(10.4,27.3) 10.45,27.25 ; v1(10.4,27.3) 10.45,27.25 ; 288.52,28.07 C17#26.2 288.52,28.07 ; 288.52,28.07 v1(288.25,27.8) 288.52,28.07 ; 10.45,27.25 D1#27.5 10.45,27.25 ; 211.83,27.25 D13#25.5 211.83,27.25 ; 211.83,27.25 211.69,27.4 ; 211.83,27.25 211.69,27.4 ; 211.69,27.4 v1(211.69,27.49) 211.69,27.4 ; 30.6,27.25 30.61,27.24 ; 30.6,27.25 D2#25.5 30.6,27.25 ; 30.6,27.25 30.61,27.24 ; 30.61,27.24 v1(30.61,27) 30.61,27.24 ; 172.3,27.87 v1(172.3,27.53) 172.3,27.87 ; 195.17,27.25 D12#28.5 195.17,27.25 ; 195.17,27.25 195.12,27.3 ; 195.17,27.25 195.12,27.3 ; 195.12,27.3 v1(195.12,27.45) 195.12,27.3